# Altium PCB PIXHACK.PcbDoc (part 1 of 3)
Units mm, origin at the board's own origin, x right, y up, seen from the top; angles counter-clockwise.
Board outline 49 x 41 mm, 4 copper layers (Top Layer, GND, power, Bottom Layer); 140 components, 206 nets, 724 pads, 254 vias.
Unrouted connection lines stored in the file: 2.
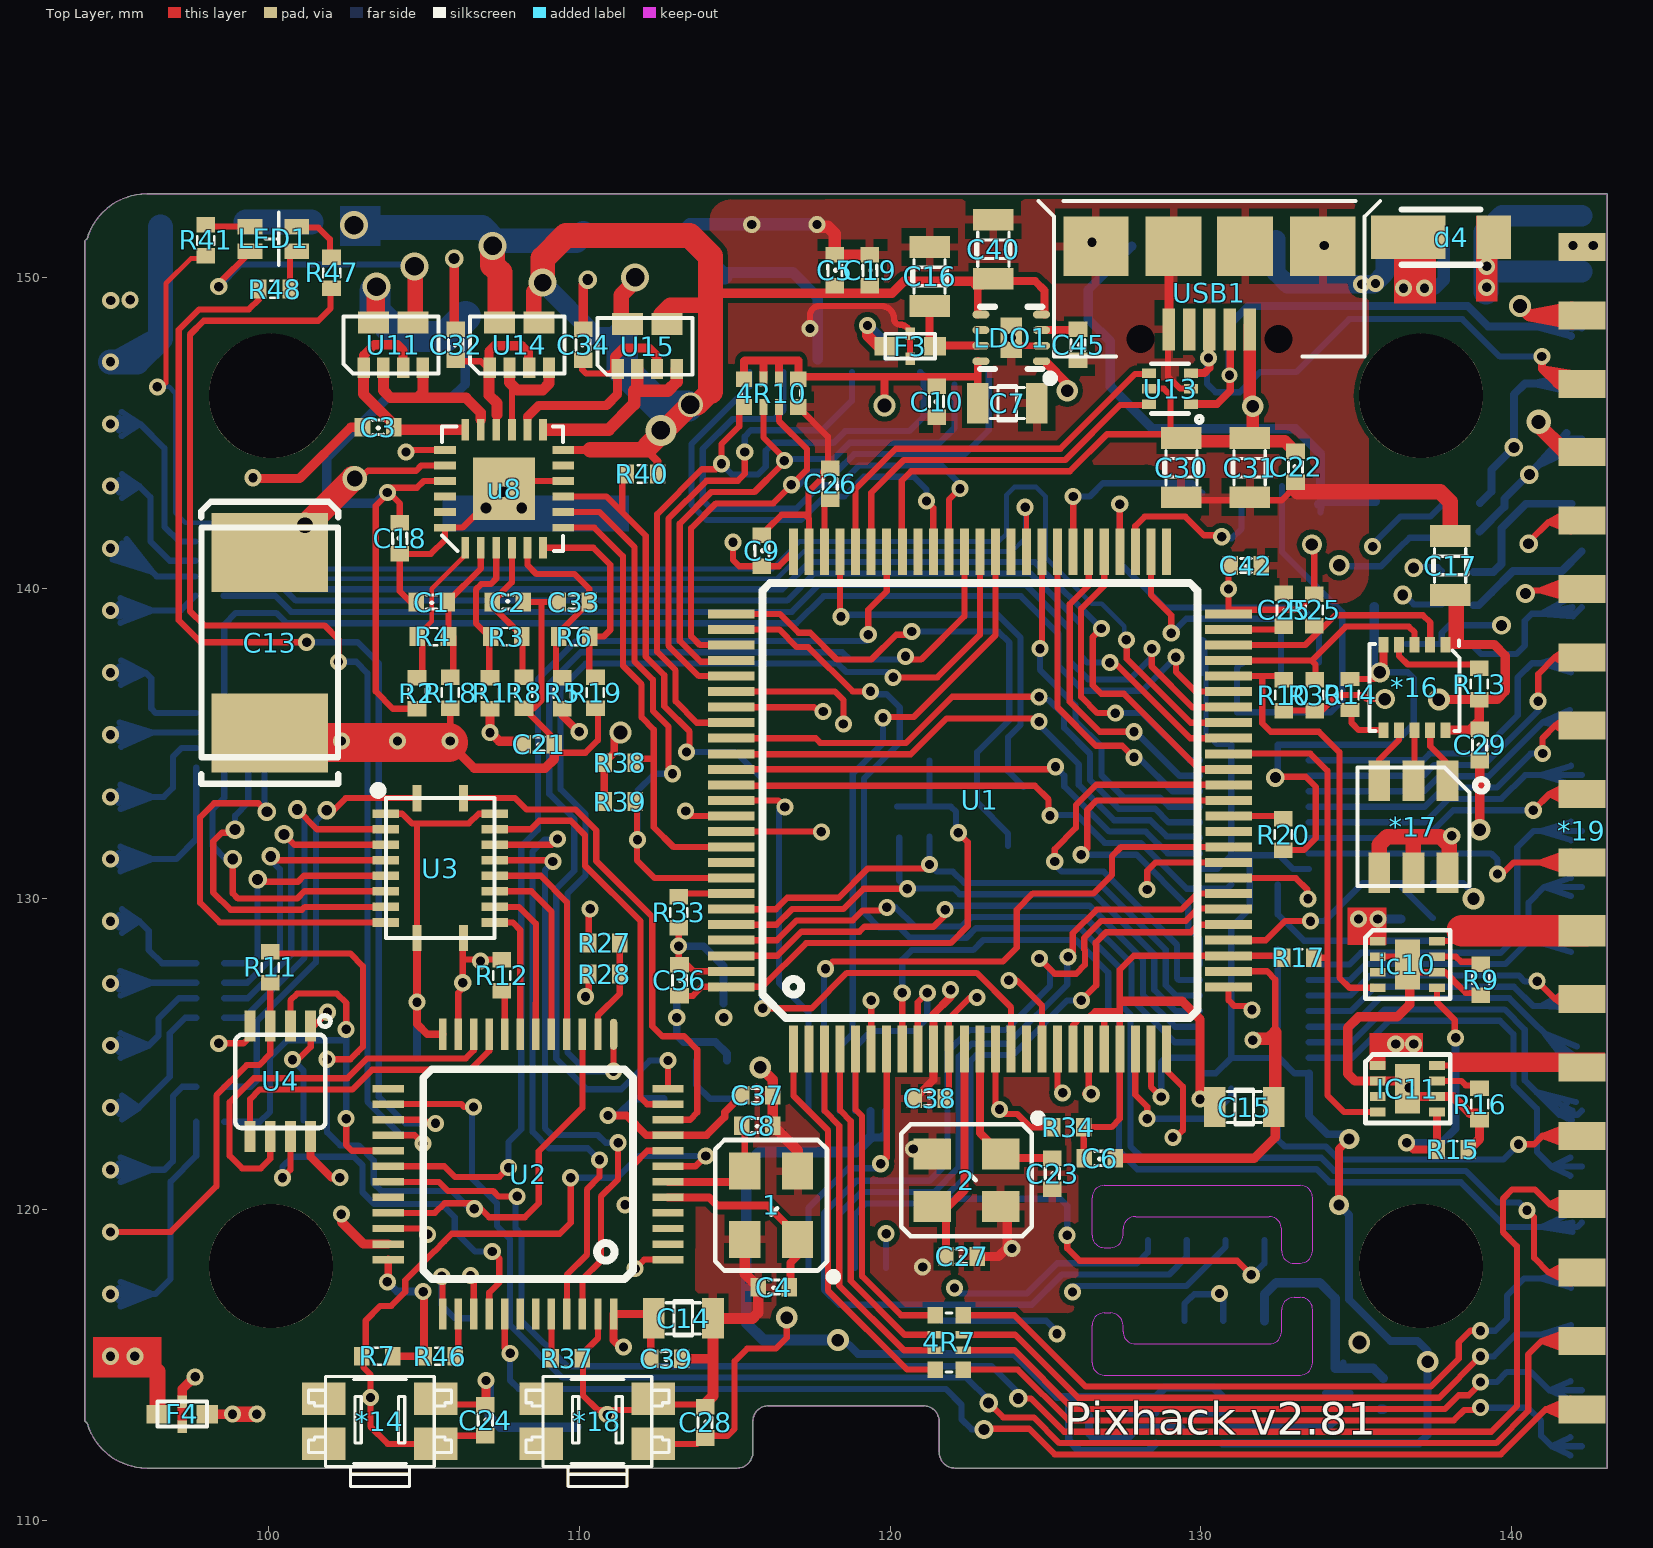
[diagram p0: Top Layer view]
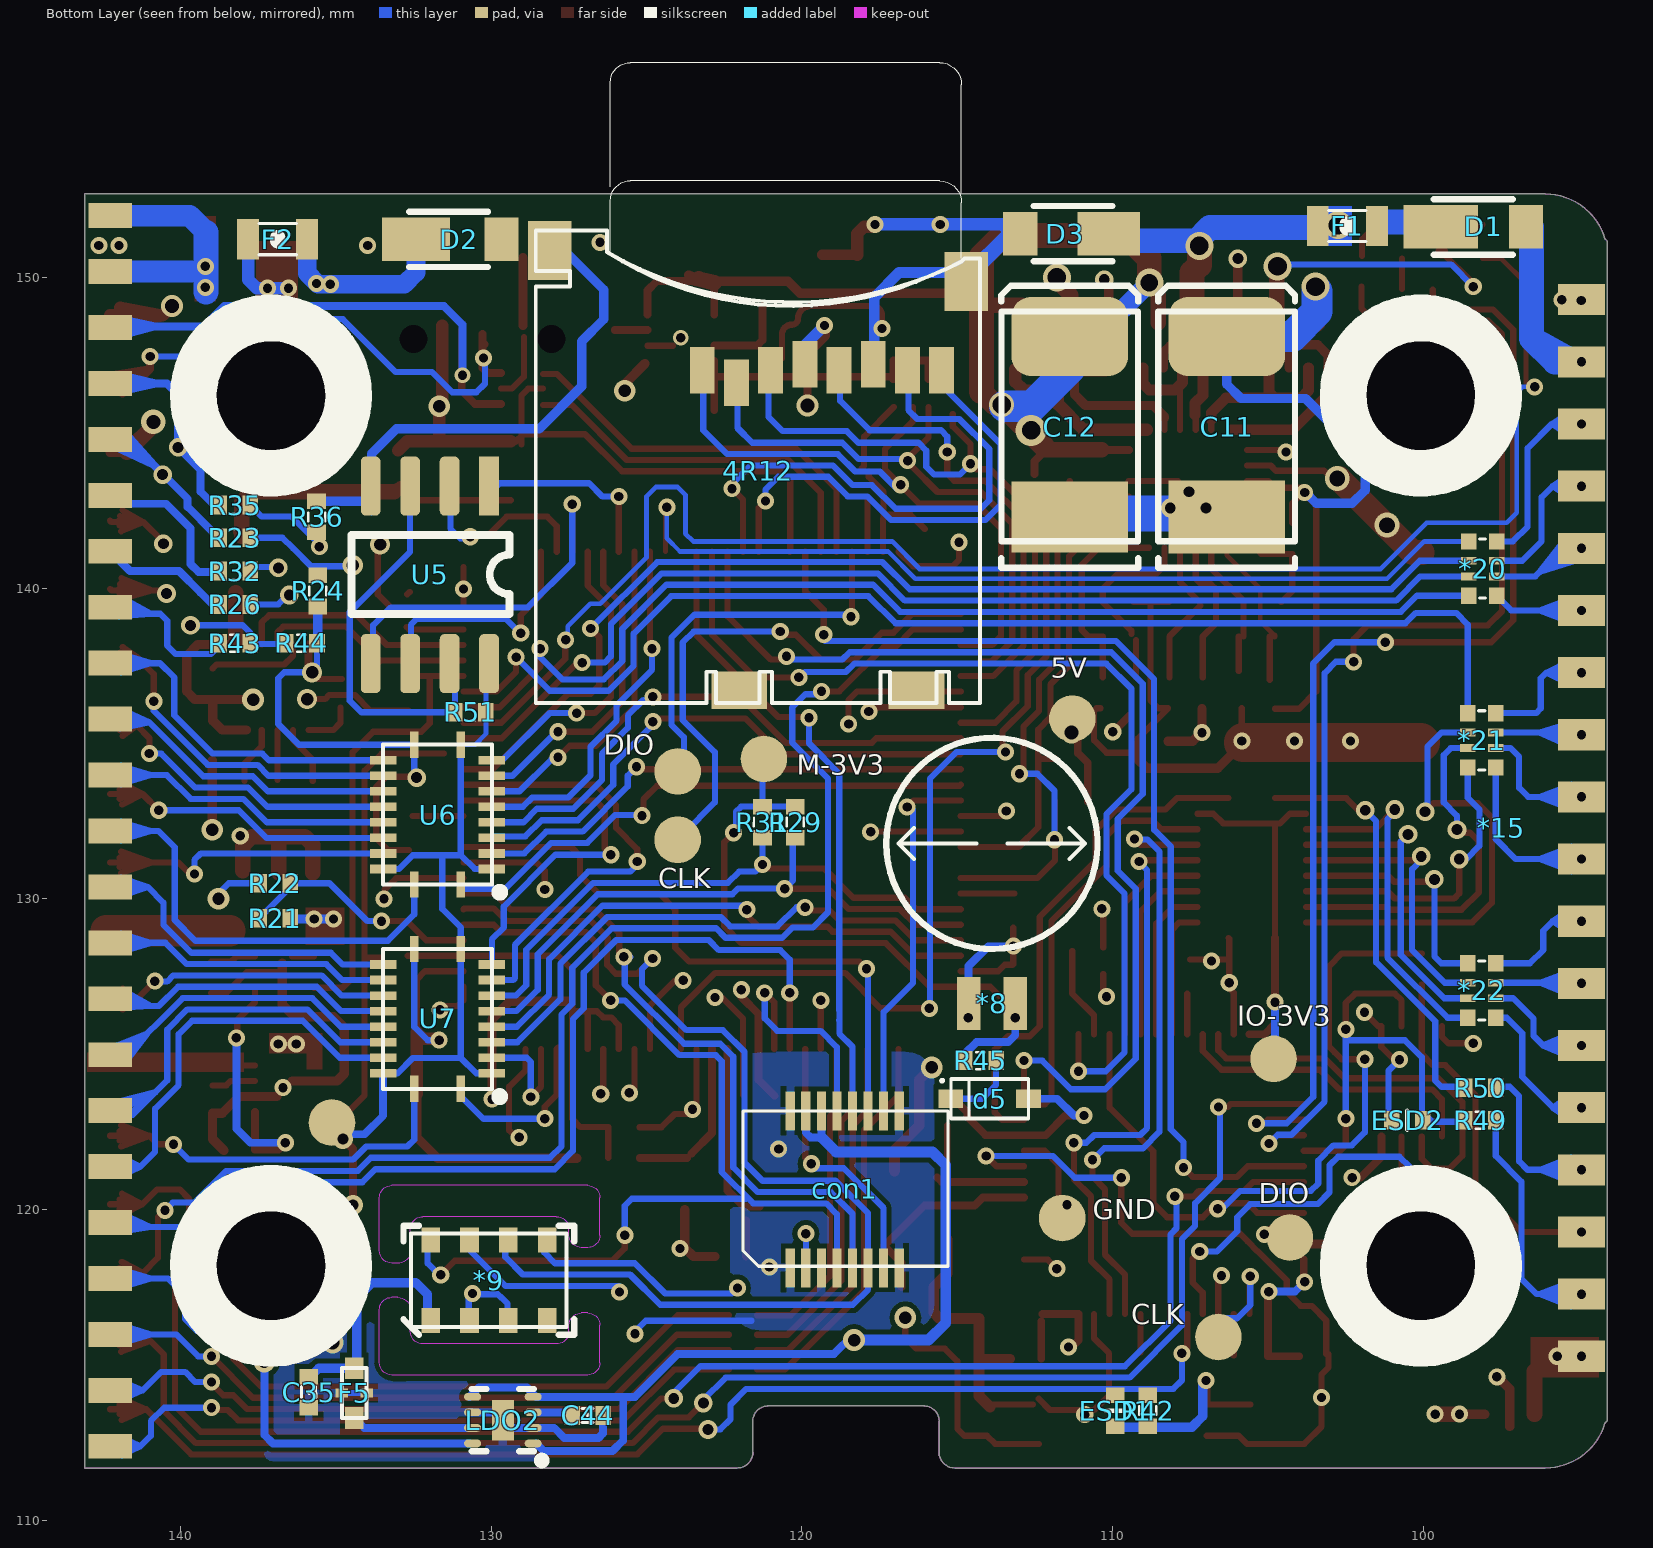
[diagram p1: Bottom Layer view, seen from below]
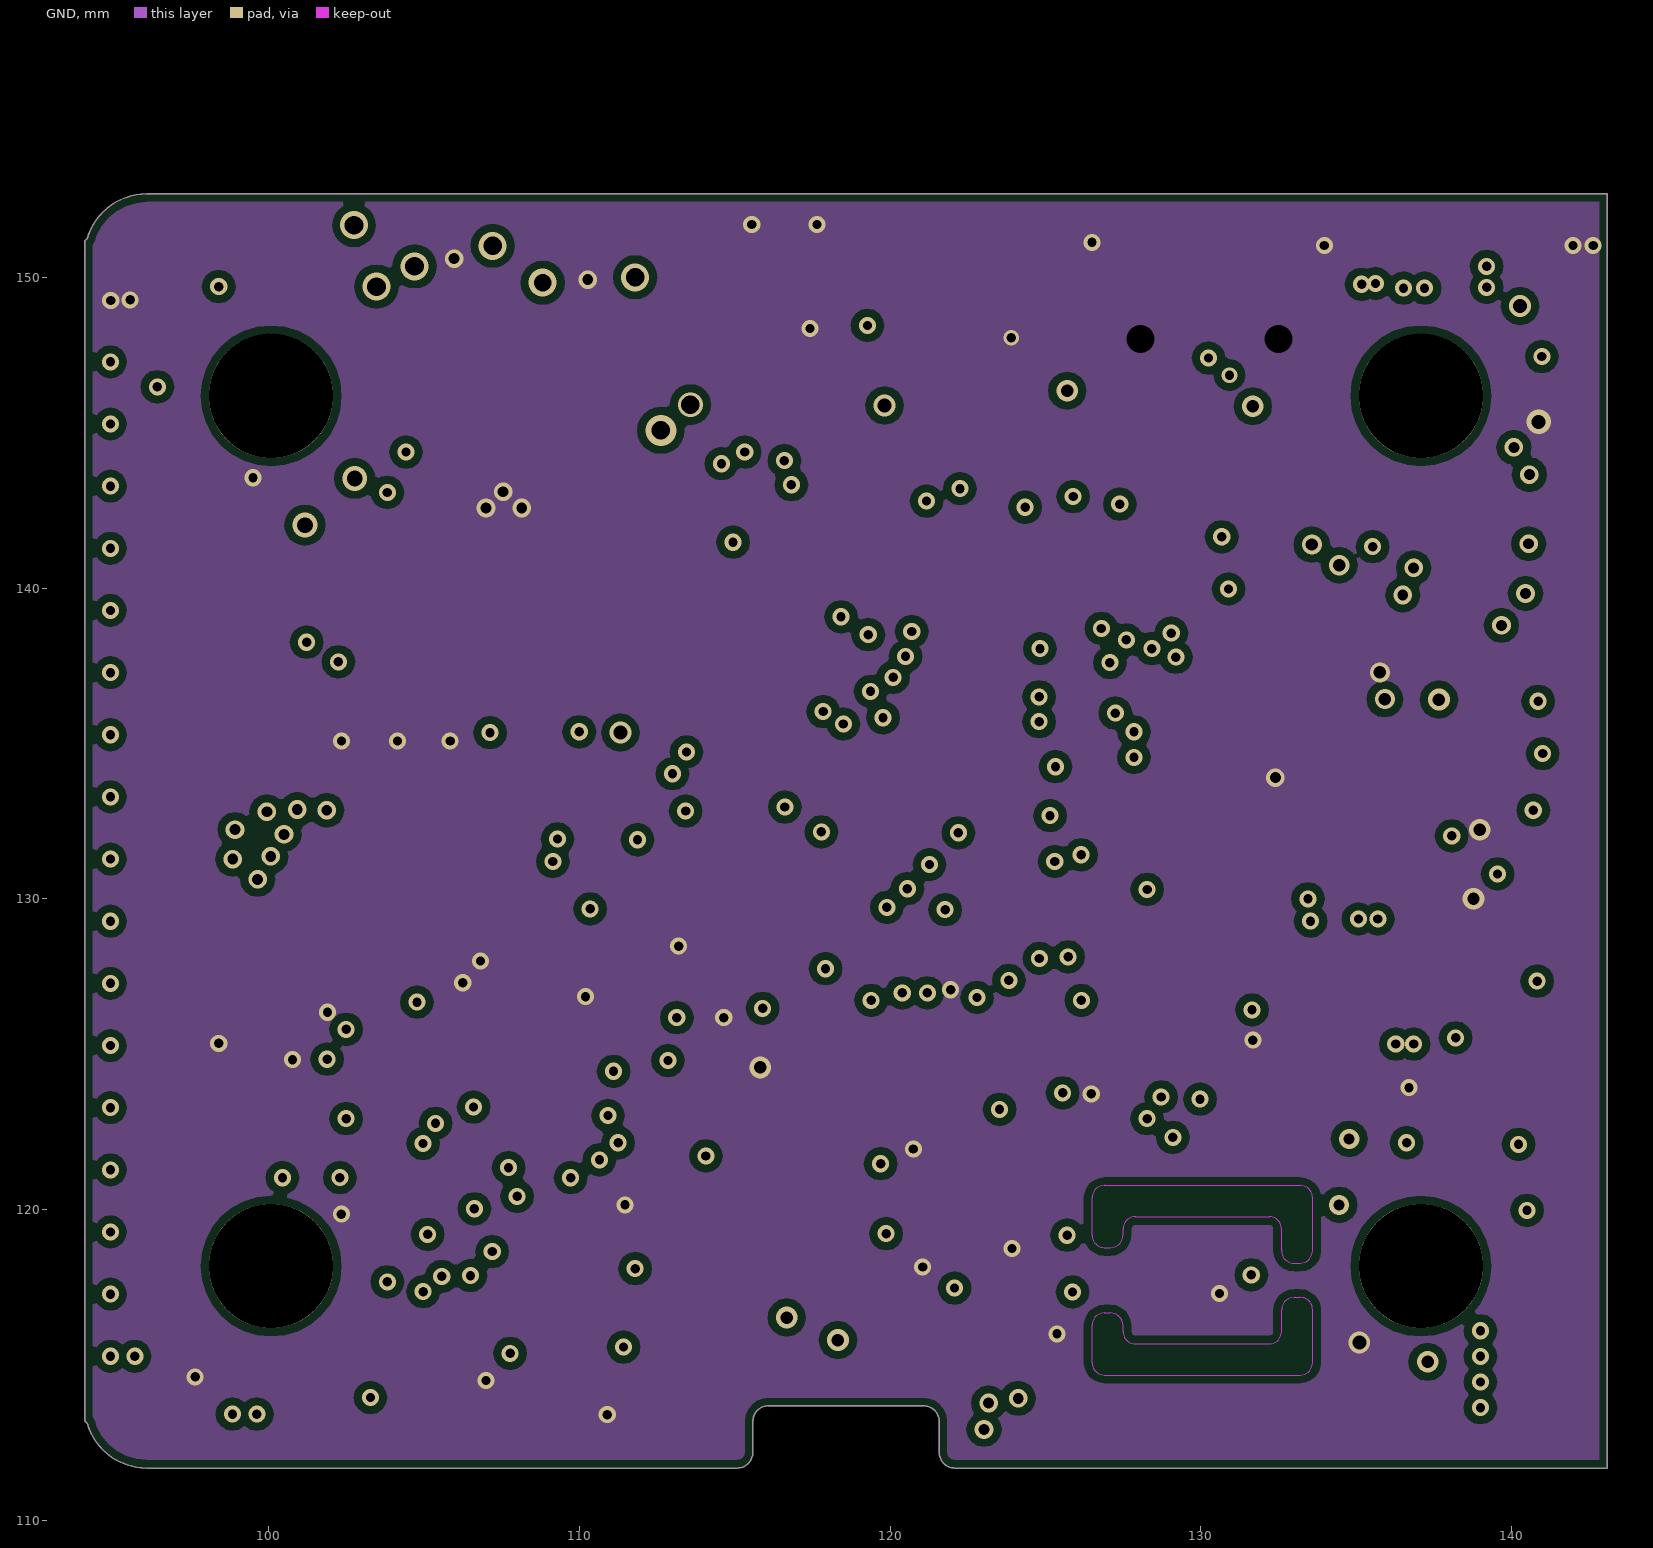
[diagram p2: GND]
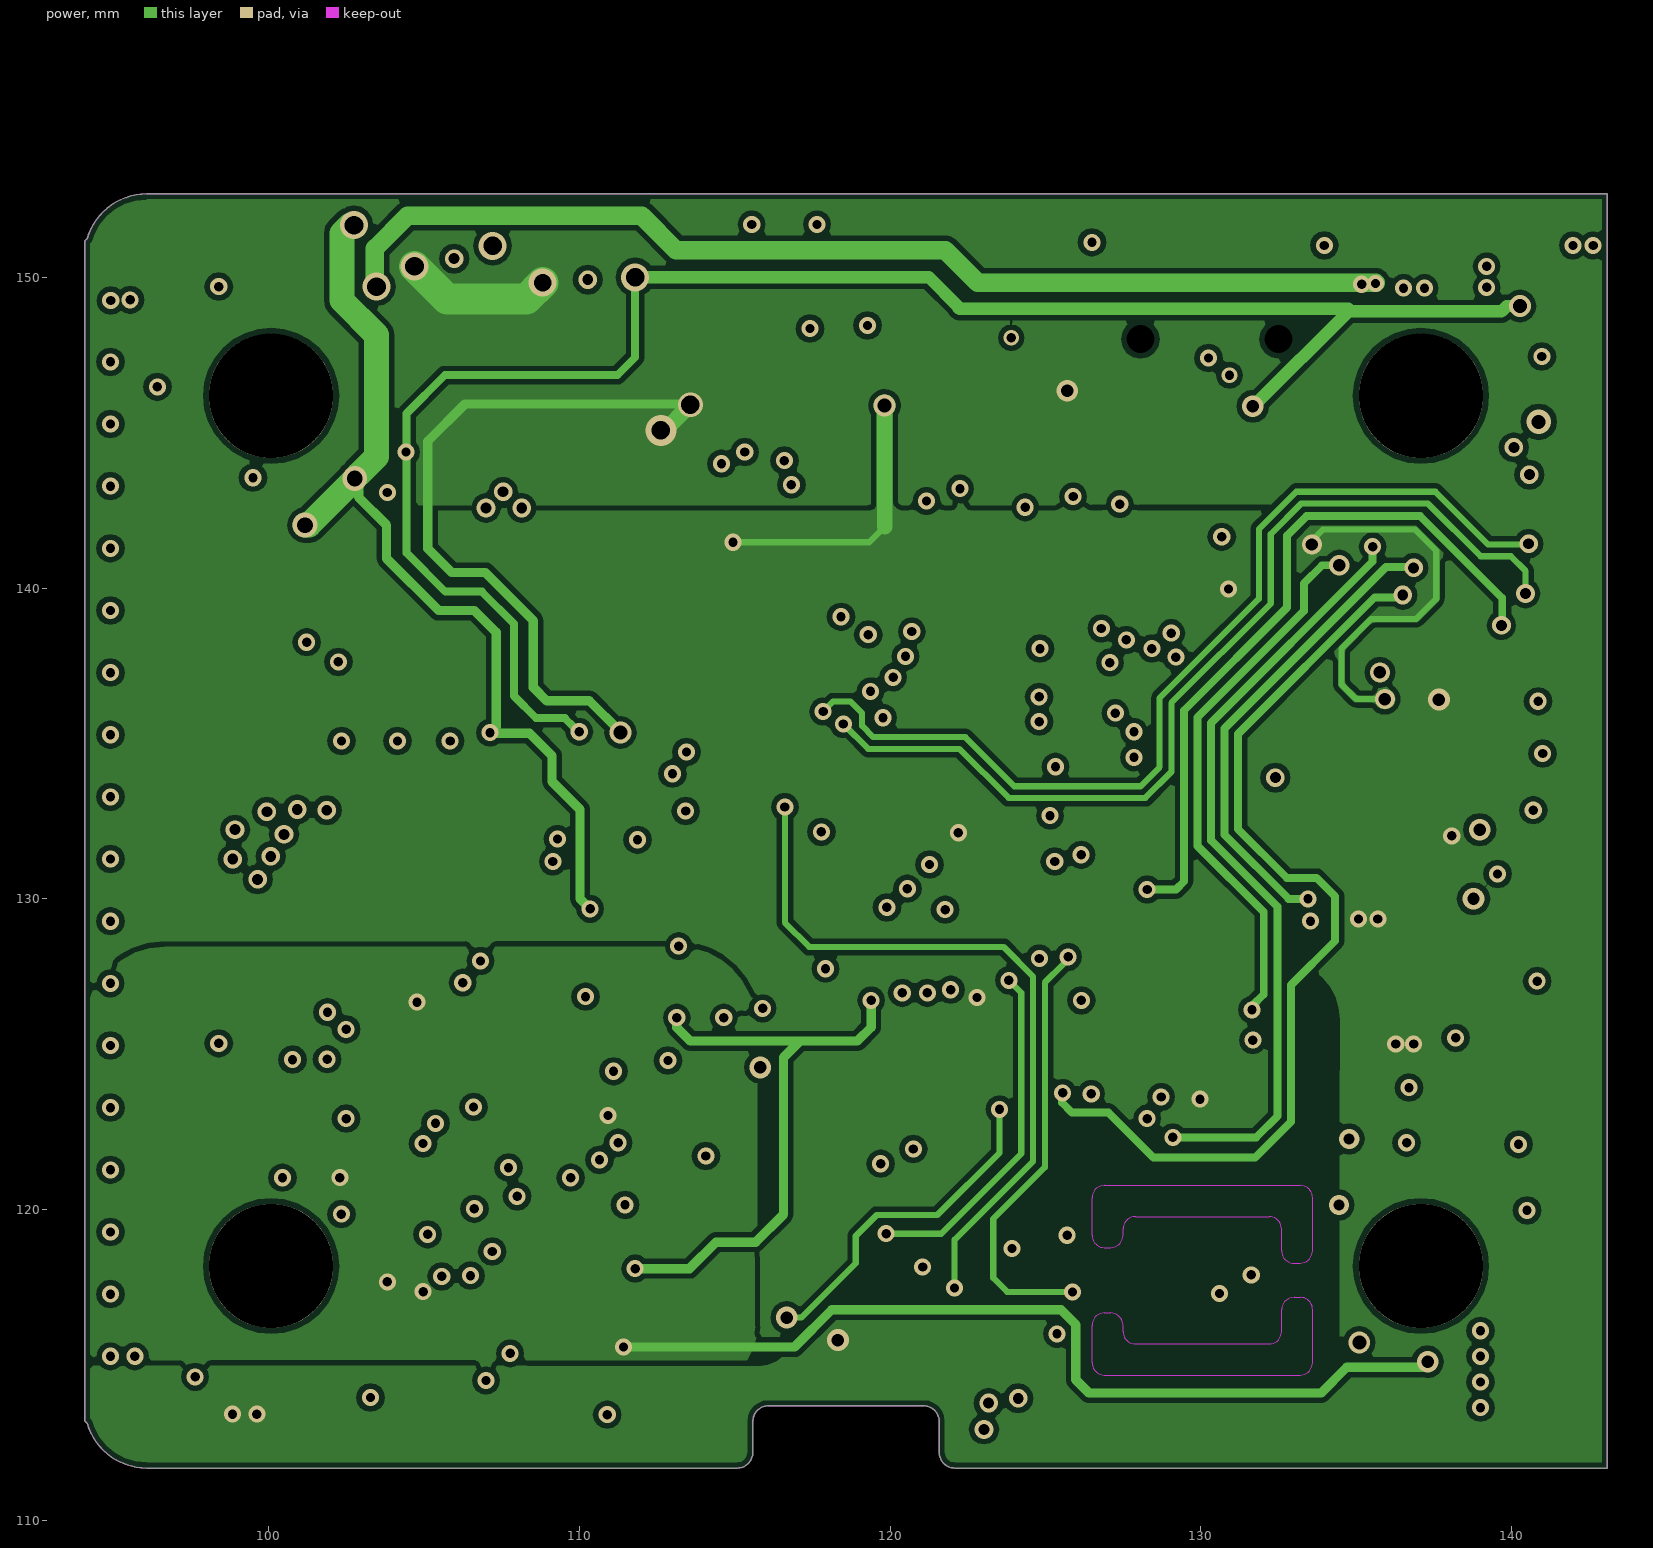
[diagram p3: power]
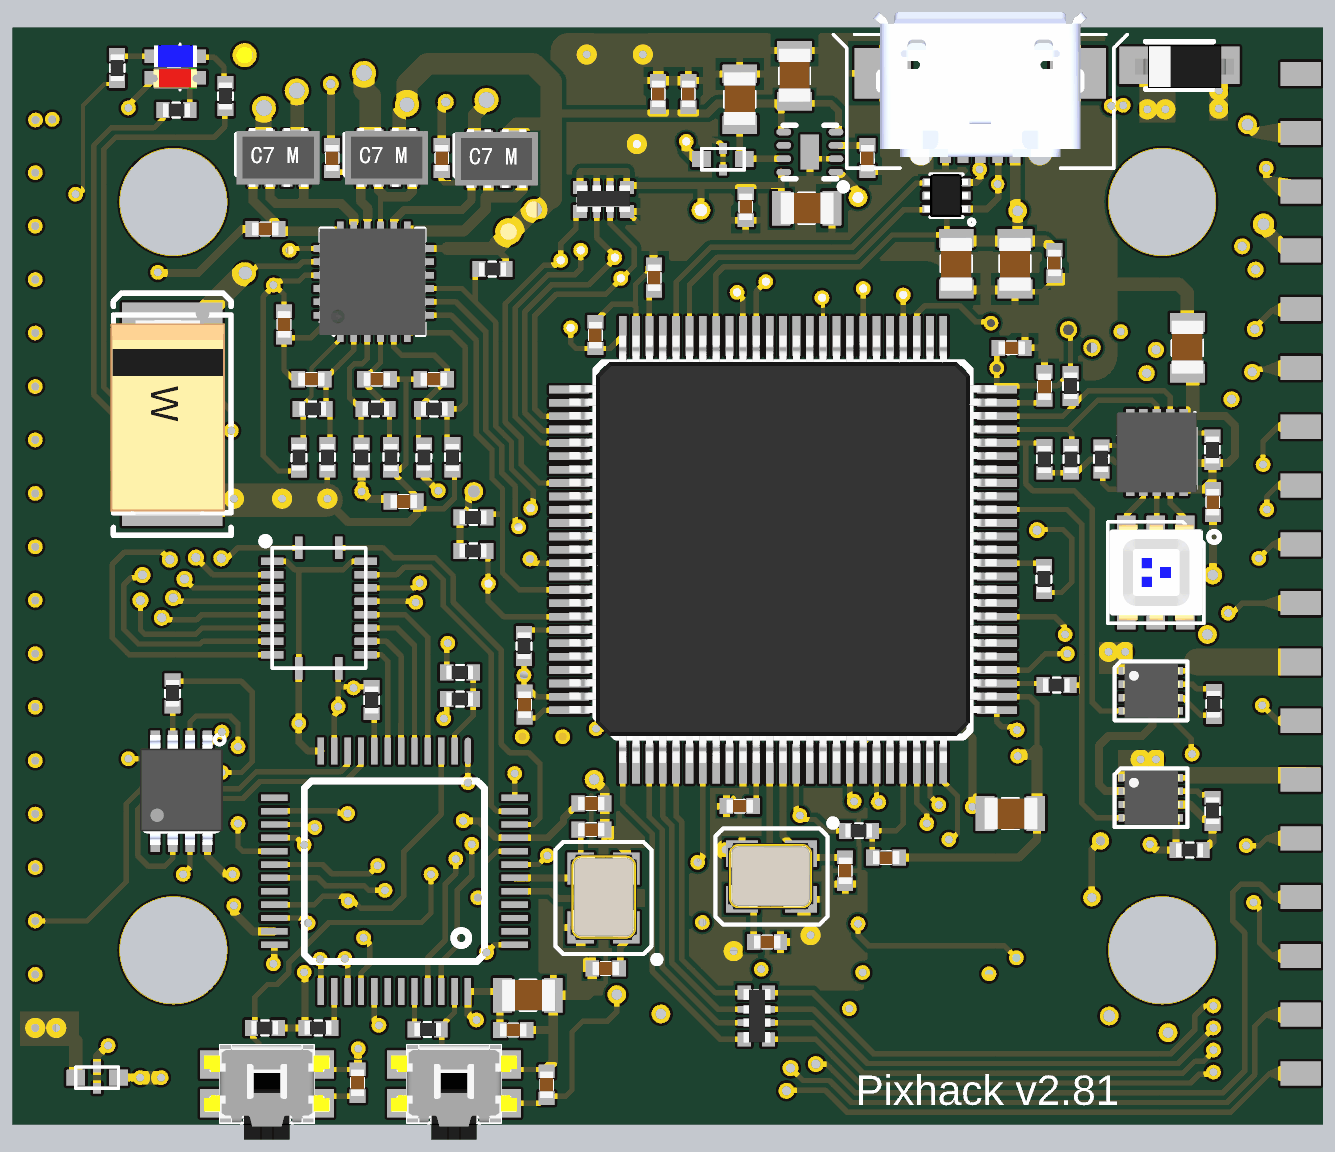
[diagram p6: 3D render of the assembled board from above, using the file's embedded part models]
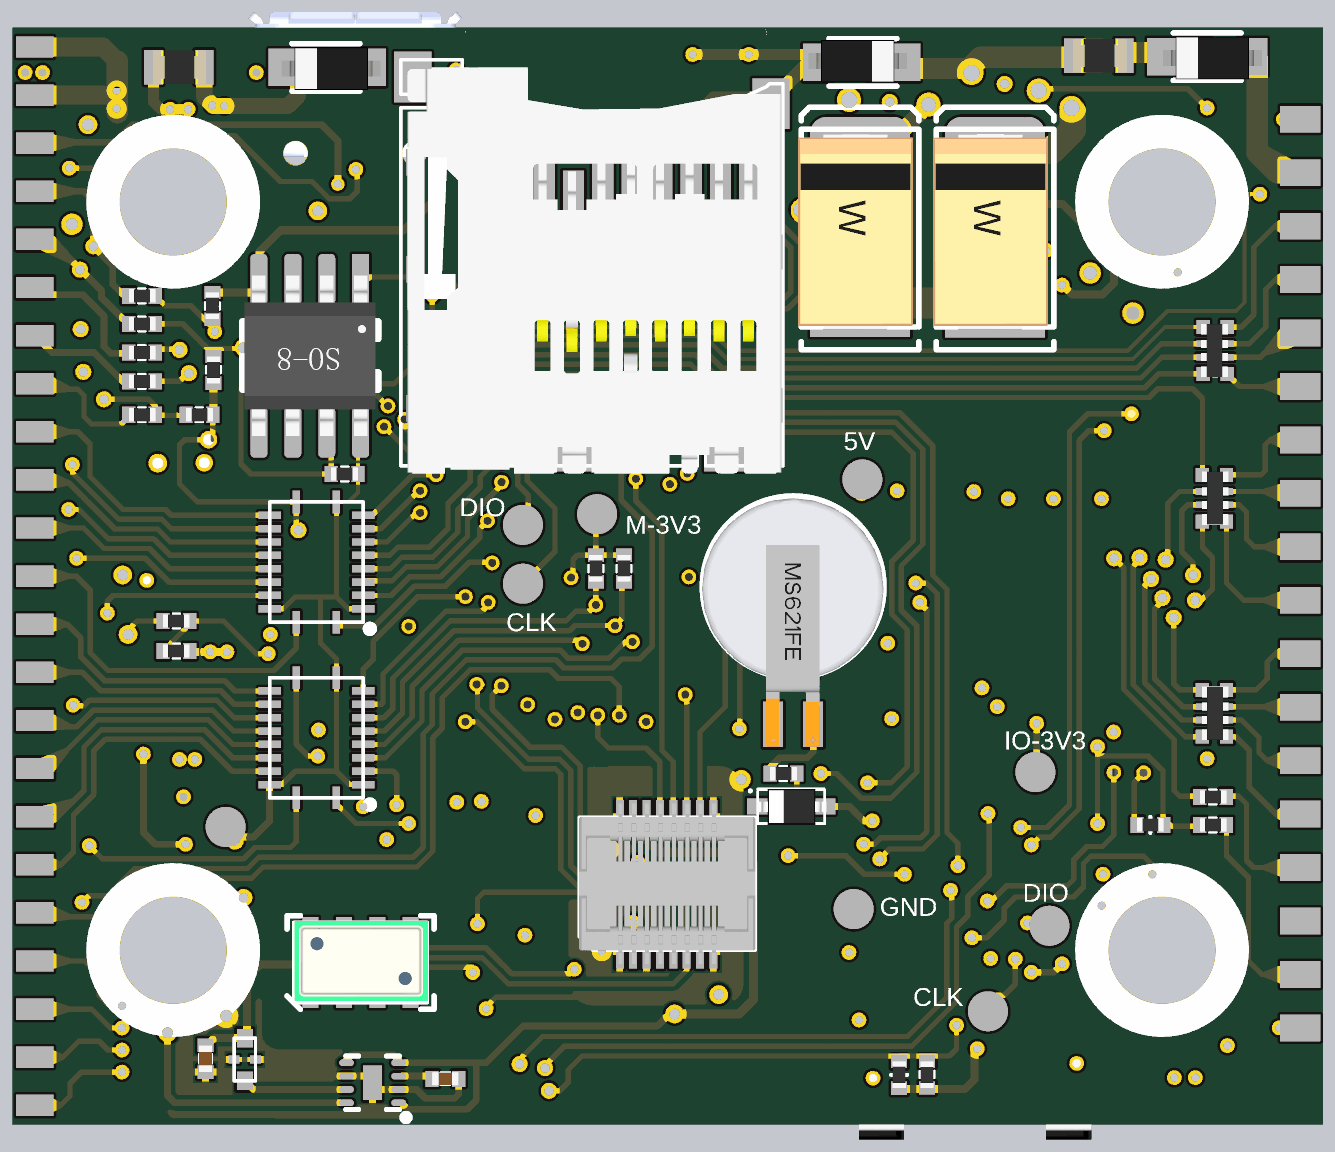
[diagram p7: 3D render of the assembled board from below, using the file's embedded part models]

## Layer stack, top to bottom
Top Solder: solder mask 0.0102, Solder Resist, Dk 3.5
Top Layer: signal copper 0.0356
Dielectric1: core 0.32, FR-4, Dk 4.8
GND: signal copper 0.0356
Dielectric2: prepreg 0.32, FR-4, Dk 4.8
power: signal copper 0.0356
Dielectric3: core 0.32, FR-4, Dk 4.8
Bottom Layer: signal copper 0.0356
Bottom Solder: solder mask 0.0102, Solder Resist, Dk 3.5

## Board outline
94.164,113.123 ccw(c96.084,113.683) 96.084,111.683 115.084,111.683 ccw(c115.084,112.183) 115.584,112.183 115.584,113.183 cw(c116.084,113.183) 116.084,113.683 121.084,113.683 cw(c121.084,113.183) 121.584,113.183 121.584,112.183 ccw(c122.084,112.183) 122.084,111.683 143.08,111.683 143.08,152.683 96.084,152.683 ccw(c96.084,150.683) 94.164,151.243 94.084,151.163 94.084,113.203

## Design rules (kind name [scope] priority, off if disabled: settings)
Clearance Clearance_1 [OnLayer('power')] p1: gap=0.175
Clearance Clearance_2 [OnLayer('GND')] p2: gap=0.254
Clearance [All] p3: gap=0.165
PlaneConnect PlaneConnect_1 [OnLayer('Multi-Layer')] p1: planeconnectstyle=Direct reliefexpansion=0.508 reliefentries=4 reliefconductorwidth=0.254 reliefairgap=0.254
PlaneConnect [All] p2: planeconnectstyle=Relief reliefexpansion=0.508 reliefentries=4 reliefconductorwidth=0.254 reliefairgap=0.254
PolygonConnect PolygonConnect_1 [OnLayer('Multi-Layer')] p1: connectstyle=Direct reliefconductorwidth=0.254 reliefentries=4 polygonreliefangle="90 Angle" airgapwidth=0.254
PolygonConnect [All] p2: connectstyle=Relief reliefconductorwidth=0.254 reliefentries=4 polygonreliefangle="90 Angle" airgapwidth=0.254
RoomDefinition NEW_LDO_PIX_SH [InComponentClass('NEW_LDO_PIX_SH')] p1: confinementstyle=ConfineIn formatcopy=TRUE lockcomponents=FALSE outline 93.3,110.7 144.15,110.7 144.15,152.525 93.3,152.525
RoutingVias [All] p1: holewidth=0.35 width=0.6 viastyle="Through Hole" minholewidth=0.3 minwidth=0.6 maxholewidth=0.5 maxwidth=1
SilkToSolderMaskClearance SilkscreenOverComponentPads [IsPad] p1: minsilkscreentomaskgap=0.254 clearancetoexposedcopper=TRUE
SolderMaskExpansion [All] p1: expansion=0.102
Width [All] p1: maxlimit=2 minlimit=0.15 preferedwidth=0.254 toplayer_maxwidth=1 midlayer1_minwidth=0.2 midlayer2_minwidth=0.2 bottomlayer_maxwidth=1 minimp=50.000000 maximp=50.000000 favimp=50.000000
28 further rules are at their usual default settings.
